# KiCad board FetsAndCrosses.kicad_pcb (continued)
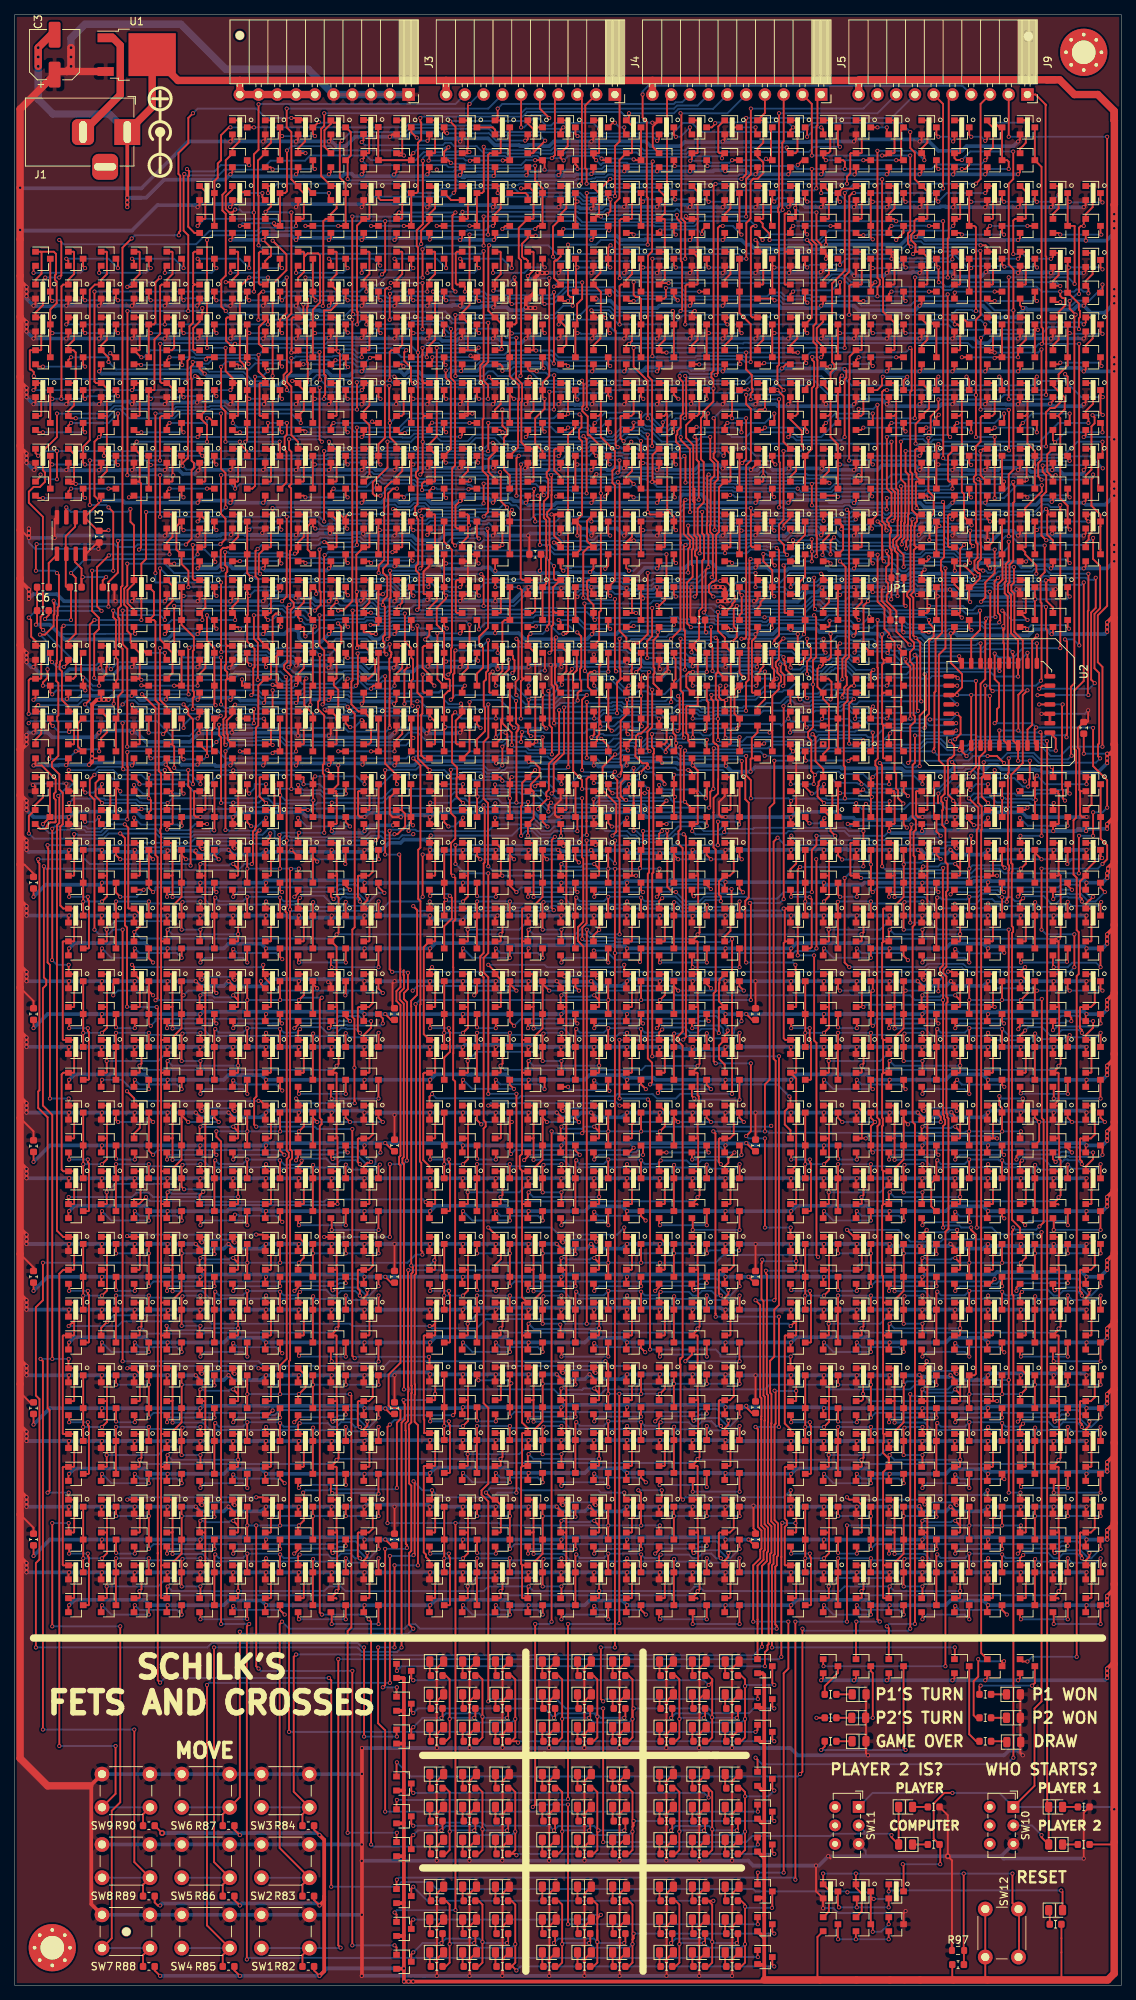
[diagram p0: board, top side]
## Routing (per net, layer and track width the routed paths; a pad name or vN(x,y) marks a point on that pad's centre or on a via; arc(x,y) is an arc through that point) (continued)
/PlayerMem_2/sheet5F1827A8/sheet5EFB6E86/sheet5EFA5AF5/A: length 52.3
  Top w0.25: Q1306.1 145.75,119.06 146.27,118.54 146.27,115.14 145.75,114.61 Q1305.1 144.35,114.61 144.27,114.54 144.27,111.76 144.53,111.51 v1(144.53,111.12) ; 136.16,105.72 136.86,105.72 136.94,105.8 136.94,110.09 136.86,110.17 Q1295.1 136.16,111.37 v1(136.41,111.62) ; v1(124.95,111.65) 124.83,111.53 Q1289.3 124.77,109.22 124.13,108.57 124.13,105.42 124.77,104.77 Q1291.3 ; v1(133.73,111.64) 133.72,111.63 Q1294.3 ; v1(129.26,111.76) 129.27,111.75 Q1290.3
  Bottom w0.25: v1(144.53,111.12) 143.99,111.66 142.72,111.66 142.62,111.76 142.18,111.76 141.26,110.84 140.36,110.84 139.31,111.9 136.68,111.9 v1(136.41,111.62) 135.95,111.16 134.22,111.16 v1(133.73,111.64) 133.34,111.64 133.23,111.76 v1(129.26,111.76) 128.66,111.16 125.44,111.16 v1(124.95,111.65)
/PlayerMem_2/sheet5F1827A8/sheet5EFB6E86/sheet5EFA557C/A: length 59.7
  Top w0.25: 123.52,114.61 123.6,114.69 123.6,118.98 123.52,119.06 Q1310.1 122.83,118.41 122.91,118.32 v1(123.11,118.32) ; 123.52,114.61 Q1309.1 122.83,116.09 v1(122.94,116.2) ; 123.52,114.61 123.6,114.54 123.6,110.25 123.52,110.17 Q1289.1 122.94,110.28 v1(122.94,111.12) ; Q1286.1 127.97,114.61 128.05,114.69 128.05,115.6 ; v1(127.38,116.2) 127.99,115.6 128.05,115.6 ; 128.05,115.6 128.05,118.98 127.97,119.06 Q1285.1 127.58,118.75 v1(127.58,118.34) ; Q1281.3 Q1279.3 111.51,109.24 v1(111.51,111.12) ; Q1280.3 115.94,111.11 v1(115.95,111.12) ; v1(120.4,107.31) 120.38,107.33 Q1284.3 120.38,110.9 v1(120.5,111.02) ; 122.83,105.72 122.94,105.84 v1(122.94,107.31)
  Bottom w0.25: v1(111.51,111.12) v1(115.95,111.12) 116.23,110.85 120.33,110.85 v1(120.5,111.02) 120.61,111.12 v1(122.94,111.12) ; v1(120.4,107.31) v1(122.94,107.31) ; v1(127.38,116.2) 126.99,116.2 126.81,116.02 123.51,116.02 123.32,116.2 v1(122.94,116.2) ; v1(127.58,118.34) 127.18,118.75 123.54,118.75 v1(123.11,118.32)
/PlayerMem_2/sheet5F1827A8/sheet5EFB6E86/sheet5EFA6019/A: length 55.6
  Top w0.25: Q1308.1 119.08,114.61 119.16,114.69 ; 119.16,114.69 119.16,118.98 119.08,119.06 Q1307.1 ; 119.16,114.69 119.16,114.68 v1(119.16,111.72) ; v1(131.83,111.12) 131.72,111.01 Q1294.1 132.41,110.17 132.49,110.09 132.49,105.8 132.41,105.72 131.72,105.72 ; Q1300.3 147.07,109.24 v1(147.07,111.12) ; Q1297.3 Q1295.3 138.16,110.99 v1(138.2,111.03) ; Q1296.3 142.6,111.07 v1(142.61,111.07)
  Bottom w0.25: v1(119.16,111.72) 119.55,111.72 119.56,111.73 123.22,111.73 124.24,110.71 131.41,110.71 v1(131.83,111.12) 132.24,110.71 137.88,110.71 v1(138.2,111.03) 138.83,110.39 141.93,110.39 v1(142.61,111.07) 143.16,110.52 146.47,110.52 v1(147.07,111.12)
/PlayerMem_2/sheet5F1827A8/sheet5F46F157/A: length 56.3
  Top w0.25: Q1288.1 132.41,119.06 132.49,118.98 132.49,117.06 ; 142.62,118.09 Q1302.3 142.6,117.43 v1(143.19,116.84) ; 147.07,118.09 Q1306.3 147.05,117.43 v1(147.64,116.84) ; 132.49,117.06 132.49,114.69 132.41,114.61 Q1287.1 131.72,114.62 v1(133.03,114.62) ; 132.49,117.06 132.69,117.06 132.72,117.09 v1(132.72,117.47) ; Q1303.3 138.75,114.25 v1(138.75,116.84) 138.16,117.43 Q1301.3 ; Q1370.1 114,119.06 114.73,118.33 114.73,114.69 114.65,114.61 Q1371.1 115.25,114.61 v1(115.25,114.62)
  Bottom w0.25: v1(147.64,116.84) 146.69,116.84 ; 146.69,116.84 147.07,116.84 ; 146.69,116.84 v1(143.19,116.84) v1(138.75,116.84) 133.35,116.84 v1(132.72,117.47) ; v1(133.03,114.62) 132.72,114.93 115.57,114.93 v1(115.25,114.62)
/PlayerMem_2/sheet5F1827A8/sheet5F46F157/B: length 21.1
  Top w0.25: 110.21,114.61 Q1372.1 ; 110.21,114.61 110.28,114.69 110.28,118.98 110.21,119.06 Q1373.1 ; 110.21,114.61 110.28,114.54 110.28,111.81 v1(109.6,111.12) ; Q1374.3 Q1375.3 v1(107.06,111.12) Q1377.3
  Bottom w0.25: v1(107.06,111.12) v1(109.6,111.12)
/PlayerMem_2/sheet5F18011C/sheet5EFB6E86/D: length 56.4
  Top w0.25: 47.26,123.5 47.96,123.5 48.04,123.58 48.04,127.87 47.96,127.95 Q1090.1 47.26,128.6 48.26,129.6 v1(48.26,130.49) ; v1(13.34,133.98) 13.34,135.51 Q1194.3 ; v1(18.42,129.86) 18.16,130.11 Q1192.3 Q1191.3 18.16,134.56 v1(18.73,133.98)
  Bottom w0.25: v1(18.73,133.98) 18.1,134.62 17.78,134.62 ; v1(13.34,133.98) 13.97,134.62 17.78,134.62 ; 17.78,134.62 18.16,134.62 ; v1(18.42,129.86) 19.05,130.49 19.05,130.81 43.56,130.81 43.94,131.19 46.61,131.19 47.31,130.49 v1(48.26,130.49)
/PlayerMem_2/sheet5F18011C/sheet5EFB6E86/sheet5EFA4EF6/A: length 32.4
  Top w0.25: Q1097.3 22.59,134.64 22.61,134.62 22.61,133.92 ; Q1069.1 12.4,127.95 12.48,127.87 12.48,125.07 v1(12.45,125.09) 12.48,123.58 12.4,123.5 11.7,123.5 ; v1(21.52,126.24) 21.52,128.45 22.59,129.52 Q1098.3 22.61,131.46 22.61,133.92 ; 22.61,133.92 22.8,133.92 v1(22.86,133.98) ; v1(27.31,134.3) 27.04,134.57 Q1100.3
  Bottom w0.25: v1(21.52,126.24) 20.58,126.24 19.43,125.09 v1(12.45,125.09) ; v1(22.86,133.98) 23.5,134.62 26.99,134.62 v1(27.31,134.3)
/PlayerMem_2/sheet5F18011C/sheet5EFB6E86/sheet5EFA5AF5/A: length 51.4
  Top w0.25: Q1096.1 47.96,136.84 48.48,136.32 48.48,132.92 47.96,132.39 Q1095.1 46.56,132.39 46.46,132.3 46.46,129.18 v1(46.74,128.9) ; Q1081.3 Q1079.3 27.04,129.31 v1(27.16,129.43) ; 38.37,123.5 39.07,123.5 39.15,123.58 39.15,127.87 39.07,127.95 Q1085.1 38.37,129.15 v1(38.62,129.4) ; Q1080.3 31.48,129.52 v1(31.5,129.54) ; v1(35.94,129.42) 35.92,129.41 Q1084.3
  Bottom w0.25: v1(27.16,129.43) 27.65,128.94 30.9,128.94 v1(31.5,129.54) 35.83,129.54 v1(35.94,129.42) 36.43,128.94 38.15,128.94 v1(38.62,129.4) 38.89,129.68 41.52,129.68 42.26,128.94 43.6,128.94 44.2,129.54 44.83,129.54 44.93,129.44 46.2,129.44 v1(46.74,128.9)
/PlayerMem_2/sheet5F18011C/sheet5EFB6E86/sheet5EFA557C/A: length 59.8
  Top w0.25: 25.74,132.39 25.81,132.47 25.81,136.76 25.74,136.84 Q1100.1 25.04,136.19 25.12,136.1 v1(25.32,136.1) ; 25.74,132.39 Q1099.1 25.04,133.87 v1(25.15,133.98) ; 25.74,132.39 25.81,132.32 25.81,128.03 25.74,127.95 Q1079.1 25.15,128.06 v1(25.15,128.9) ; Q1076.1 30.18,132.39 30.26,132.47 30.26,133.38 ; v1(29.59,133.98) 30.2,133.38 30.26,133.38 ; 30.26,133.38 30.26,136.76 30.18,136.84 Q1075.1 29.48,136.19 29.57,136.1 v1(29.77,136.1) ; Q1071.3 Q1069.3 13.72,127.02 v1(13.72,128.9) ; Q1070.3 18.14,128.89 v1(18.16,128.9) ; v1(22.61,125.09) 22.59,125.11 Q1074.3 22.59,128.68 v1(22.71,128.8) ; 25.04,123.5 25.15,123.62 v1(25.15,125.09)
  Bottom w0.25: v1(25.32,136.1) 25.71,136.49 29.38,136.49 v1(29.77,136.1) ; v1(13.72,128.9) v1(18.16,128.9) 18.44,128.63 22.54,128.63 v1(22.71,128.8) 22.82,128.9 v1(25.15,128.9) ; v1(22.61,125.09) v1(25.15,125.09) ; v1(29.59,133.98) 29.31,133.7 27.02,133.7 26.73,133.98 v1(25.15,133.98)
/PlayerMem_2/sheet5F18011C/sheet5EFB6E86/sheet5EFA6019/A: length 55.4
  Top w0.25: Q1098.1 21.29,132.39 21.37,132.47 ; 21.37,132.47 21.37,136.76 21.29,136.84 Q1097.1 ; 21.37,132.47 21.37,132.46 v1(21.37,129.5) ; v1(34.04,128.9) 33.92,128.79 Q1084.1 34.62,127.95 34.7,127.87 34.7,123.58 34.62,123.5 33.92,123.5 ; Q1090.3 49.28,127.02 v1(49.28,128.9) ; Q1087.3 Q1085.3 40.37,128.77 v1(40.41,128.81) ; Q1086.3 44.81,128.85 v1(44.82,128.85)
  Bottom w0.25: v1(21.37,129.5) 21.76,129.5 21.77,129.51 25.43,129.51 26.45,128.49 33.62,128.49 v1(34.04,128.9) 34.46,128.49 40.09,128.49 v1(40.41,128.81) 40.76,128.45 44.42,128.45 v1(44.82,128.85) 45.37,128.3 48.68,128.3 v1(49.28,128.9)
/PlayerMem_2/sheet5F18011C/sheet5F46F157/A: length 61.3
  Top w0.25: Q1077.1 34.62,132.39 34.7,132.47 34.7,136.76 34.62,136.84 Q1078.1 ; Q1078.1 33.66,137.11 v1(33.66,138.11) ; Q1078.1 33.92,136.25 v1(34.92,135.25) ; 44.83,134.62 44.83,135.87 Q1092.3 44.81,134.03 v1(44.77,133.98) ; Q1093.3 40.37,134.6 40.39,134.62 40.37,134.64 Q1091.3 40.37,135.52 v1(40.96,134.94) ; v1(15.88,138.11) 16.16,137.83 Q1191.1 16.21,136.84 16.94,136.11 16.94,132.47 16.86,132.39 Q1192.1 ; Q1096.3 49.26,134.89 v1(49.85,134.3)
  Bottom w0.25: v1(49.85,134.3) 49.21,134.3 48.9,134.62 45.08,134.62 ; v1(34.92,135.25) 35.56,134.62 40.96,134.62 ; 40.96,134.62 45.08,134.62 ; 40.96,134.62 v1(40.96,134.94) ; 45.08,134.62 45.08,134.3 v1(44.77,133.98) ; v1(33.66,138.11) 33.34,137.79 16.19,137.79 v1(15.88,138.11)
/PlayerMem_2/sheet5F18011C/sheet5F46F157/B: length 21.1
  Top w0.25: 12.42,132.39 Q1193.1 ; 12.42,132.39 12.49,132.47 12.49,136.76 12.42,136.84 Q1194.1 ; 12.42,132.39 12.49,132.32 12.49,129.59 v1(11.81,128.9) ; Q1227.3 Q1228.3 v1(9.27,128.9) Q1230.3
  Bottom w0.25: v1(9.27,128.9) v1(11.81,128.9)
/PlayerMem_2/sheet5F18011D/sheet5EFB6E86/D: length 53.6
  Top w0.25: 96.49,128.93 96.55,129 v1(96.55,129.22) ; 96.49,128.93 96.16,128.6 Q1132.1 95.38,127.17 95.38,125.39 96.16,124.61 96.16,123.5 ; 96.49,128.93 96.65,129.1 ; Q1234.3 62.61,134.37 v1(62.23,133.98) ; v1(67.63,129.86) 67.06,130.43 Q1232.3 Q1231.3 67.06,135.51 v1(67.95,134.62)
  Bottom w0.25: v1(96.55,129.22) 96.55,129.61 94.98,131.19 92.83,131.19 92.45,130.81 68.58,130.81 v1(67.63,129.86) ; 66.67,134.62 62.87,134.62 v1(62.23,133.98) ; 66.67,134.62 67.06,134.62 ; 66.67,134.62 v1(67.95,134.62)
/PlayerMem_2/sheet5F18011D/sheet5EFB6E86/sheet5EFA4EF6/A: length 32.7
  Top w0.25: Q1111.1 61.3,127.95 61.37,127.87 61.37,125.07 v1(61.34,125.09) 61.37,123.58 61.3,123.5 60.59,123.5 ; v1(70.41,126.33) 70.41,128.45 71.48,129.52 Q1140.3 71.5,131.46 71.5,134.62 71.48,134.64 Q1139.3 71.48,135.52 v1(72.39,134.62) ; Q1142.3 75.93,135.11 v1(76.42,134.62)
  Bottom w0.25: v1(61.34,125.09) 62.58,126.33 v1(70.41,126.33) ; v1(72.39,134.62) v1(76.42,134.62)
/PlayerMem_2/sheet5F18011D/sheet5EFB6E86/sheet5EFA5AF5/A: length 49.8
  Top w0.25: Q1123.3 Q1121.3 75.93,129.31 v1(76.05,129.43) ; 87.27,123.5 87.97,123.5 88.04,123.58 88.04,127.87 87.97,127.95 Q1127.1 87.27,128.93 v1(87.69,129.36) ; Q1122.3 80.38,129.52 v1(80.39,129.54) ; v1(84.84,129.42) 84.82,129.41 Q1126.3 ; Q1138.1 95.44,136.13 95.44,135.67 95.38,135.6 95.38,133.17 Q1137.1 95.45,132.39 95.36,132.3 95.36,128.88 v1(95.36,128.88)
  Bottom w0.25: v1(76.05,129.43) 76.55,128.94 79.79,128.94 v1(80.39,129.54) 84.72,129.54 v1(84.84,129.42) 85.33,128.94 87.27,128.94 v1(87.69,129.36) 87.96,129.63 90.78,129.63 91.47,128.94 92.49,128.94 92.99,129.44 94.8,129.44 v1(95.36,128.88)
/PlayerMem_2/sheet5F18011D/sheet5EFB6E86/sheet5EFA557C/A: length 59
  Top w0.25: 74.63,132.39 74.71,132.47 74.71,136.76 74.63,136.84 Q1142.1 74.21,136.56 v1(74.45,136.56) ; 74.63,132.39 Q1141.1 73.93,133.87 v1(74.04,133.98) ; 74.63,132.39 74.71,132.32 74.71,128.03 74.63,127.95 Q1121.1 74.04,128.06 v1(74.04,128.9) ; Q1118.1 79.08,132.39 79.15,132.47 79.15,133.38 ; v1(78.49,133.98) 79.09,133.38 79.15,133.38 ; 79.15,133.38 79.15,136.76 79.08,136.84 Q1117.1 78.38,136.82 v1(78.9,136.3) ; Q1113.3 Q1111.3 62.61,127.02 v1(62.61,128.9) ; Q1112.3 67.04,128.89 v1(67.06,128.9) ; v1(71.5,125.09) 71.48,125.11 Q1116.3 71.48,128.68 v1(71.61,128.8) ; 73.93,123.5 74.04,123.62 v1(74.04,125.09)
  Bottom w0.25: v1(62.61,128.9) v1(67.06,128.9) 67.33,128.63 71.44,128.63 v1(71.61,128.8) 71.71,128.9 v1(74.04,128.9) ; v1(71.5,125.09) v1(74.04,125.09) ; v1(78.49,133.98) 78.1,133.98 77.91,133.8 74.61,133.8 74.43,133.98 v1(74.04,133.98) ; v1(74.45,136.56) 78.64,136.56 v1(78.9,136.3)
/PlayerMem_2/sheet5F18011D/sheet5EFB6E86/sheet5EFA6019/A: length 55.5
  Top w0.25: Q1140.1 70.19,132.39 70.26,132.47 ; 70.26,132.47 70.26,136.76 70.19,136.84 Q1139.1 ; 70.26,132.47 70.27,132.46 v1(70.27,129.5) ; v1(82.93,128.9) 82.82,128.79 Q1126.1 83.52,127.95 83.6,127.87 83.6,123.58 83.52,123.5 82.82,123.5 ; Q1132.3 98.17,127.02 v1(98.17,128.9) ; Q1129.3 Q1127.3 89.27,128.77 v1(89.3,128.81) ; v1(93.73,128.84) 93.71,128.83 Q1128.3
  Bottom w0.25: v1(98.17,128.9) 97.44,128.17 94.4,128.17 v1(93.73,128.84) 93.34,128.45 90.98,128.45 90.63,128.81 v1(89.3,128.81) 88.98,128.49 83.35,128.49 v1(82.93,128.9) 81.96,128.9 81.54,128.49 75.34,128.49 74.33,129.51 70.66,129.51 70.66,129.5 v1(70.27,129.5)
/PlayerMem_2/sheet5F18011D/sheet5F46F157/A: length 58
  Top w0.25: Q1119.1 83.52,132.39 83.6,132.47 83.6,134.84 ; 93.73,135.87 Q1134.3 93.71,135.52 v1(94.3,134.94) ; 98.17,135.87 Q1138.3 98.16,135.21 v1(98.74,134.62) ; Q1135.3 89.27,135.21 ; 89.27,135.21 Q1133.3 ; 89.27,135.21 v1(89.85,134.62) ; 83.6,134.84 83.6,136.76 83.52,136.84 Q1120.1 82.55,137.11 v1(82.55,138.11) ; 83.6,134.84 83.8,134.84 83.82,134.87 v1(83.82,135.25) ; v1(64.14,138.11) 65.06,137.19 Q1231.1 65.11,136.84 65.83,136.11 65.83,132.47 65.76,132.39 Q1232.1
  Bottom w0.25: v1(82.55,138.11) 82.23,137.79 72.07,137.79 71.76,138.11 v1(64.14,138.11) ; 97.47,134.62 v1(98.74,134.62) ; 97.47,134.62 94.3,134.62 ; 97.47,134.62 98.17,134.62 ; 94.3,134.62 v1(94.3,134.94) ; 94.3,134.62 v1(89.85,134.62) 89.22,135.25 v1(83.82,135.25)
/PlayerMem_2/sheet5F18011D/sheet5F46F157/B: length 21.1
  Top w0.25: 61.31,132.39 Q1233.1 ; 61.31,132.39 61.39,132.47 61.39,136.76 61.31,136.84 Q1234.1 ; 61.31,132.39 61.39,132.32 61.39,129.59 v1(60.71,128.9) ; Q1235.3 Q1236.3 v1(58.17,128.9) Q1270.3
  Bottom w0.25: v1(58.17,128.9) v1(60.71,128.9)
/PlayerMem_2/sheet5F18011E/sheet5EFB6E86/D: length 52.1
  Top w0.25: 145.05,123.5 145.75,123.5 145.83,123.58 145.83,127.87 145.75,127.95 Q1174.1 145.05,128.6 146.05,129.6 v1(146.05,130.49) ; v1(116.2,129.86) 115.95,130.11 Q1272.3 115.95,134.37 v1(116.2,134.62) 116.2,135.64 Q1271.3 ; Q1274.3 111.51,134.87 v1(111.76,134.62)
  Bottom w0.25: v1(111.76,134.62) v1(116.2,134.62) ; v1(116.2,129.86) 116.59,130.24 116.59,130.81 141.35,130.81 141.75,131.22 144.05,131.22 144.78,130.49 v1(146.05,130.49)
/PlayerMem_2/sheet5F18011E/sheet5EFB6E86/sheet5EFA4EF6/A: length 31.9
  Top w0.25: Q1153.1 110.19,127.95 110.27,127.87 110.27,125.07 v1(110.24,125.09) 110.27,123.58 110.19,123.5 109.49,123.5 ; Q1182.3 120.38,129.52 119.31,128.45 v1(119.31,126.24) ; Q1182.3 120.38,134.35 v1(120.65,134.62) 120.38,134.64 Q1181.3 ; Q1182.3 120.4,131.46 ; v1(125.1,134.53) 125.1,135.62 Q1184.3
  Bottom w0.25: v1(119.31,126.24) 118.37,126.24 117.22,125.09 v1(110.24,125.09) ; v1(125.1,134.53) 124.75,134.62 v1(120.65,134.62)
/PlayerMem_2/sheet5F18011E/sheet5EFB6E86/sheet5EFA5AF5/A: length 52.4
  Top w0.25: Q1180.1 145.75,136.84 146.27,136.32 146.27,132.92 145.75,132.39 Q1179.1 144.35,132.39 144.27,132.32 144.27,129.54 144.53,129.29 v1(144.53,128.9) ; Q1165.3 Q1163.3 124.83,129.31 v1(124.95,129.43) ; 136.16,123.5 136.86,123.5 136.94,123.58 136.94,127.87 136.86,127.95 Q1169.1 ; Q1169.1 136.21,127.95 136.5,128.24 ; Q1169.1 136.16,128.54 v1(136.84,129.22) ; Q1164.3 129.27,129.52 v1(129.29,129.54) ; v1(133.73,129.42) 133.72,129.41 Q1168.3
  Bottom w0.25: v1(124.95,129.43) 125.44,128.94 128.69,128.94 v1(129.29,129.54) 133.62,129.54 v1(133.73,129.42) 134.65,128.51 136.13,128.51 v1(136.84,129.22) 137.3,129.68 139.12,129.68 140.3,128.5 141,128.5 141.82,129.32 144.11,129.32 v1(144.53,128.9)
/PlayerMem_2/sheet5F18011E/sheet5EFB6E86/sheet5EFA557C/A: length 58.8
  Top w0.25: 123.52,132.39 123.6,132.47 123.6,136.76 123.52,136.84 Q1184.1 122.83,136.19 122.91,136.1 v1(123.11,136.1) ; 123.52,132.39 Q1183.1 122.83,133.87 v1(122.94,133.98) ; 123.52,132.39 123.6,132.32 123.6,128.03 123.52,127.95 Q1163.1 122.94,128.06 v1(122.94,128.9) ; Q1160.1 127.97,132.39 128.05,132.47 128.05,133.38 ; v1(127.38,133.98) 127.99,133.38 128.05,133.38 ; 128.05,133.38 128.05,136.76 127.97,136.84 Q1159.1 126.92,137.19 v1(126.41,137.19) ; Q1155.3 Q1153.3 111.51,127.02 v1(111.51,128.9) ; Q1154.3 115.94,128.89 v1(115.95,128.9) ; v1(120.4,125.09) 120.38,125.11 Q1158.3 120.38,128.68 v1(120.5,128.8) ; 122.83,123.5 122.94,123.62 v1(122.94,125.09)
  Bottom w0.25: v1(111.51,128.9) v1(115.95,128.9) 116.23,128.63 120.33,128.63 v1(120.5,128.8) 120.61,128.9 v1(122.94,128.9) ; v1(120.4,125.09) v1(122.94,125.09) ; v1(122.94,133.98) 123.12,133.8 125.29,133.8 125.48,133.98 v1(127.38,133.98) ; v1(123.11,136.1) 125.32,136.1 v1(126.41,137.19)
/PlayerMem_2/sheet5F18011E/sheet5EFB6E86/sheet5EFA6019/A: length 55.9
  Top w0.25: Q1182.1 119.08,132.39 119.16,132.47 ; 119.16,132.47 119.16,136.76 119.08,136.84 Q1181.1 ; 119.16,132.47 119.16,132.46 v1(119.16,129.5) ; v1(131.83,128.9) 131.72,128.79 Q1168.1 132.41,127.95 132.49,127.87 132.49,123.58 132.41,123.5 131.72,123.5 ; Q1174.3 147.07,127.02 v1(147.07,128.9) ; Q1171.3 Q1169.3 138.16,128.77 v1(138.2,128.81) ; Q1170.3 142.6,128.32 v1(142.88,128.59)
  Bottom w0.25: v1(119.16,129.5) 119.55,129.5 119.56,129.51 123.22,129.51 124.24,128.49 131.41,128.49 v1(131.83,128.9) 132.82,127.91 137.3,127.91 v1(138.2,128.81) 138.96,128.05 141.95,128.05 142.35,128.44 142.73,128.44 v1(142.88,128.59) 143.16,128.3 146.47,128.3 v1(147.07,128.9)
/PlayerMem_2/sheet5F18011E/sheet5F46F157/A: length 55
  Top w0.25: Q1162.1 132.41,136.84 132.49,136.76 132.49,132.47 132.41,132.39 Q1161.1 131.72,132.4 v1(132.72,132.4) ; Q1271.1 114.65,136.84 114.73,136.76 114.73,132.47 114.65,132.39 Q1272.1 114.93,132.39 v1(114.94,132.4) ; 138.16,134.64 Q1175.3 ; 138.16,134.64 138.18,134.62 v1(138.43,134.62) ; 138.16,134.64 v1(138.43,134.62) ; v1(142.88,134.62) 142.6,134.89 Q1176.3 142.62,135.87 ; 132.49,134.62 v1(132.72,134.94) ; Q1177.3 138.16,134.6 v1(138.43,134.62) ; v1(147.32,134.62) 147.05,134.89 Q1180.3 147.07,135.87
  Bottom w0.25: v1(132.72,132.4) 132.4,132.71 115.25,132.71 v1(114.94,132.4) ; v1(147.32,134.62) v1(142.88,134.62) v1(138.43,134.62) 137.86,134.94 v1(132.72,134.94)
/PlayerMem_2/sheet5F18011E/sheet5F46F157/B: length 21.1
  Top w0.25: 110.21,132.39 Q1273.1 ; 110.21,132.39 110.28,132.47 110.28,136.76 110.21,136.84 Q1274.1 ; 110.21,132.39 110.28,132.32 110.28,129.59 v1(109.6,128.9) ; Q1275.3 Q1276.3 v1(107.06,128.9) Q1278.3
  Bottom w0.25: v1(107.06,128.9) v1(109.6,128.9)
/PlayerMem_2/~{R}: length 565.2
  Top w0.25: Q1010.1 92.41,150.17 92.49,150.25 92.49,154.54 92.41,154.62 Q1008.1 ; 92.46,145.68 92.41,145.73 Q1002.1 ; Q988.1 65.74,141.28 65.82,141.36 65.82,142.27 v1(65.79,142.24) 66.06,142.51 66.06,145.14 65.81,145.39 65.82,145.65 65.74,145.73 Q986.1 ; 92.49,150.47 92.56,150.39 92.56,144.88 92.75,144.68 92.75,142.49 v1(92.48,142.22) 92.48,142.05 Q1004.1 92.41,141.28 92.49,141.21 92.49,136.92 92.41,136.84 ; Q1052.1 141.3,150.17 141.38,150.25 141.38,154.54 141.3,154.62 Q1050.1 ; 141.3,145.73 141.35,145.68 ; 141.3,145.73 Q1044.1 ; 141.3,145.73 141.65,145.39 141.65,144.74 ; Q1030.1 114.64,141.28 114.71,141.36 114.71,142.27 v1(114.68,142.24) 114.96,142.51 114.96,145.14 114.71,145.39 114.71,145.65 114.64,145.73 Q1028.1 ; Q1094.1 43.52,132.39 43.59,132.47 43.59,136.76 43.52,136.84 ; 43.52,136.84 Q1092.1 ; 43.52,136.84 43.59,136.92 43.59,140.56 42.86,141.28 Q962.1 43.58,142.05 v1(43.58,142.22) 43.86,142.49 43.86,145.46 ; 43.56,127.9 43.52,127.95 Q1086.1 ; 16.14,123.5 16.85,123.5 16.92,123.58 16.92,124.49 v1(16.89,124.46) 17.17,124.73 17.17,127.36 16.92,127.61 16.92,127.87 16.85,127.95 Q1070.1 ; 43.59,132.69 43.66,132.61 43.66,127.1 43.86,126.9 43.86,124.71 v1(43.58,124.44) 43.58,124.27 42.81,123.5 43.52,123.5 43.59,123.43 43.59,119.14 43.52,119.06 ; Q1136.1 92.41,132.39 92.49,132.47 92.49,136.76 92.41,136.84 ; 92.41,136.84 Q1134.1 ; 92.46,127.9 92.41,127.95 Q1128.1 ; 65.04,123.5 65.74,123.5 65.82,123.58 65.82,124.49 v1(65.79,124.46) 66.06,124.73 66.06,127.36 65.81,127.61 65.82,127.87 65.74,127.95 Q1112.1 ; 92.49,132.69 92.56,132.61 92.56,127.1 92.75,126.9 92.75,124.71 v1(92.48,124.44) 92.48,124.27 91.71,123.5 92.41,123.5 92.49,123.43 92.49,120.46 92.64,120.31 92.64,119.29 92.41,119.06 ; Q1178.1 141.3,132.39 141.38,132.47 141.38,136.76 141.3,136.84 ; 141.3,136.84 141.38,136.92 141.38,141.21 141.3,141.28 Q1046.1 140.96,141.64 v1(141.37,141.64) 141.65,141.91 141.65,144.74 ; 141.3,136.84 Q1176.1 ; 141.35,127.9 141.3,127.95 Q1170.1 ; 113.94,123.5 114.64,123.5 114.71,123.58 114.71,124.49 v1(114.68,124.46) 114.96,124.73 114.96,127.36 114.71,127.61 114.71,127.87 114.64,127.95 Q1154.1 ; 141.38,132.69 141.45,132.61 141.45,127.1 141.65,126.9 141.65,124.71 v1(141.37,124.44) 141.37,124.27 140.6,123.5 141.3,123.5 141.38,123.43 141.38,119.79 140.66,119.06 Q1302.1 141.3,119.06 141.38,118.98 141.38,114.69 141.3,114.61 Q1304.1 ; Q1220.1 43.52,114.61 43.59,114.69 43.59,118.98 43.52,119.06 ; 43.52,119.06 Q1218.1 ; 43.52,110.17 43.56,110.12 ; 43.52,110.17 43.7,109.98 v1(43.7,105.76) ; 43.52,110.17 Q1212.1 ; 43.52,105.72 43.59,105.65 ; 43.52,105.72 43.55,105.76 v1(43.7,105.76) ; 43.52,105.72 42.81,105.72 43.67,105.72 v1(43.7,105.76) ; Q1262.1 92.41,114.61 92.49,114.69 92.49,118.98 92.41,119.06 ; 92.41,119.06 Q1260.1 ; 92.46,110.12 92.41,110.17 Q1254.1 ; 65.04,105.72 65.74,105.72 65.82,105.8 65.82,106.71 v1(65.79,106.68) 66.06,106.95 66.06,109.58 65.81,109.83 65.82,110.09 65.74,110.17 Q1238.1 ; 92.49,114.91 92.56,114.83 92.56,109.32 92.75,109.12 92.75,106.93 v1(92.48,106.66) 92.48,106.49 91.71,105.72 92.41,105.72 92.49,105.65 ; 141.35,110.12 141.3,110.17 141.29,110.17 ; 113.94,105.72 114.64,105.72 114.71,105.8 114.71,106.71 v1(114.68,106.68) 114.96,106.95 114.96,109.58 114.71,109.83 114.71,110.09 114.64,110.17 Q1280.1 ; 141.38,105.65 141.3,105.72 140.6,105.72 141.37,106.49 v1(141.37,106.66) 141.65,106.93 141.65,109.9 ; v1(17.78,106.68) 16.82,105.72 16.14,105.72 16.14,106.38 16.17,106.4 17.04,106.4 17.04,109.98 16.85,110.17 Q1196.1 ; 141.38,150.47 141.65,150.2 141.65,144.74 ; 141.65,109.9 141.65,111.65 141.45,111.85 141.45,114.83 141.38,114.91 ; 141.65,109.9 141.56,109.9 141.29,110.17 ; 43.52,145.73 43.56,145.68 ; 43.52,145.73 43.79,145.46 43.86,145.46 ; 43.52,145.73 Q960.1 ; 43.59,150.47 43.66,150.39 43.66,147.41 43.86,147.21 43.86,145.46 ; 43.59,114.91 43.7,114.79 v1(43.7,105.76) ; 141.29,110.17 Q1296.1 ; v1(3.81,157.16) Q940.3 Q939.3 ; Q966.1 43.52,154.62 43.59,154.54 43.59,150.25 43.52,150.17 Q968.1 ; Q946.1 16.14,142.51 v1(16.19,142.56) 16.92,143.29 16.92,145 16.2,145.73 Q944.1 15.45,145.73 15.37,145.8 15.37,156.66 v1(14.9,157.13)
  Bottom w0.25: v1(43.58,124.44) 43.03,123.89 17.46,123.89 v1(16.89,124.46) ; v1(141.37,124.44) 140.82,123.89 115.25,123.89 v1(114.68,124.46) ; v1(92.48,106.66) 91.93,106.11 66.36,106.11 v1(65.79,106.68) ; v1(141.37,106.66) 140.82,106.11 115.25,106.11 v1(114.68,106.68) ; v1(16.19,142.56) 17.08,141.67 43.03,141.67 v1(43.58,142.22) 43.6,142.24 v1(65.79,142.24) 66.36,141.67 76.02,141.67 76.58,142.23 77.48,142.23 77.92,141.79 81.48,141.79 81.63,141.64 91.9,141.64 v1(92.48,142.22) 114.66,142.22 v1(114.68,142.24) 115.28,141.64 v1(141.37,141.64) ; v1(17.78,106.68) 18.34,106.12 24.37,106.12 24.9,105.59 43.15,105.59 43.31,105.76 v1(43.7,105.76) ; v1(92.48,124.44) 85.45,124.44 84.9,123.89 66.36,123.89 v1(65.79,124.46) ; v1(3.81,157.16) 3.81,156.77 4.66,155.93 5.37,155.93 5.84,156.39 9.4,156.39 9.69,156.11 11.65,156.11 12.67,157.13 v1(14.9,157.13)
/PlayerMoveLegal/OK: length 15.2
  Top w0.25: Q834.3 Q833.3 124.46,224.79 v1(123.83,225.42) ; Q658.1 127.27,224.84 v1(127.32,224.79) 127.71,224.79 128.05,224.45 128.05,221.37 127.97,221.29 Q657.1
  Bottom w0.25: v1(123.83,225.42) 126.68,225.42 v1(127.32,224.79)
/PlayerMoveLegal/Sheet5ED65E75/0: length 47.8
  Top w0.25: Q817.1 105.75,216.85 106.05,216.55 106.05,212.7 105.75,212.4 Q820.1 105.05,211.94 106.59,210.4 106.59,208.32 v1(106.86,208.05) ; Q772.3 98.16,185.44 98.45,185.73 v1(98.45,188.14) 98.16,188.44 Q771.3 98.2,189.23 ; v1(102.86,187.99) 102.6,188.25 Q774.3 102.6,191.51 101.39,192.72 v1(101.39,193.71) ; v1(104.6,193.6) 104.18,194.01 104.18,194.97 103.52,195.63 103.52,197.72 104.12,198.32 v1(104.12,207.64)
  Bottom w0.25: v1(98.45,188.14) 98.6,187.99 v1(102.86,187.99) ; v1(104.6,193.6) 104.48,193.48 102.72,193.48 102.66,193.54 101.94,193.54 101.78,193.71 v1(101.39,193.71) ; v1(106.86,208.05) 106.46,207.64 v1(104.12,207.64)
/PlayerMoveLegal/Sheet5ED65E75/1: length 43.5
  Top w0.25: Q823.3 Q824.3 ; v1(98.42,196.88) 98.39,196.88 98.16,197.12 ; Q811.1 101.3,216.85 101.6,216.55 v1(101.6,213.27) 100.81,213.27 100.6,213.05 Q819.1 ; Q826.3 102.6,197.16 v1(102.88,196.88) ; v1(94.65,212.09) 94.8,211.94 94.8,207.45 94.65,207.3 94.65,206.72 95.23,206.14 95.23,203.81 94.78,203.36 v1(94.78,196.99)
  Bottom w0.25: v1(94.65,212.09) 95.83,213.27 v1(101.6,213.27) ; v1(102.88,196.88) v1(98.42,196.88) 94.88,196.88 v1(94.78,196.99)
/PlayerMoveLegal/Sheet5ED65E75/2: length 25.9
  Top w0.25: Q818.1 96.86,212.4 97.16,212.7 ; 97.16,212.7 97.16,216.55 96.86,216.85 Q805.1 ; 97.16,212.7 v1(97.16,212.09) ; Q775.3 Q776.3 ; 98.16,206.01 98.51,206.01 v1(98.52,206.02) 99.06,206.56 v1(99.06,212.09) ; v1(103.01,205.83) 102.6,206.24 Q778.3
  Bottom w0.25: v1(97.16,212.09) v1(99.06,212.09) ; v1(103.01,205.83) 102.53,206.32 98.81,206.32 v1(98.52,206.02)
/PlayerMoveLegal/Sheet5ED65E75/3: length 47.9
  Top w0.25: Q816.1 92.41,216.85 92.71,216.55 92.71,212.7 92.41,212.4 Q814.1 91.71,211.94 90.93,211.17 90.93,209.42 91.89,208.47 91.89,200.84 92.04,200.69 ; Q779.3 Q780.3 ; v1(89.54,187.96) 89.27,188.23 Q782.3 ; 92.08,202.56 92.04,202.53 92.04,200.69 ; v1(92.11,187.96) 92.38,188.23 92.38,193.27 92.14,193.51 92.14,194.09 92.34,194.29 92.34,195.95 92.04,196.25 92.04,201.33 92.08,201.36 ; 92.04,200.69 92.08,200.66 ; v1(85.09,187.7) 85.09,187.96 84.82,188.23
  Bottom w0.25: v1(92.11,187.96) v1(89.54,187.96) 89.42,187.85 85.24,187.85 v1(85.09,187.7)
/PlayerMoveLegal/Sheet5ED65E75/4: length 31.6
  Top w0.25: Q810.1 87.97,216.85 88.27,216.55 88.27,212.7 ; 88.27,212.7 87.97,212.4 Q813.1 ; 88.27,212.7 88.37,212.6 88.37,199.67 89.27,198.77 Q786.3 89.27,197.22 v1(89.54,196.94) ; Q783.3 Q784.3 ; v1(85.09,196.94) 85,196.94 84.82,197.12
  Bottom w0.25: v1(85.09,196.94) v1(89.54,196.94)